# Allegro board H616_REF_DDR4_16X4_V2_0_20200729.brd (continued)
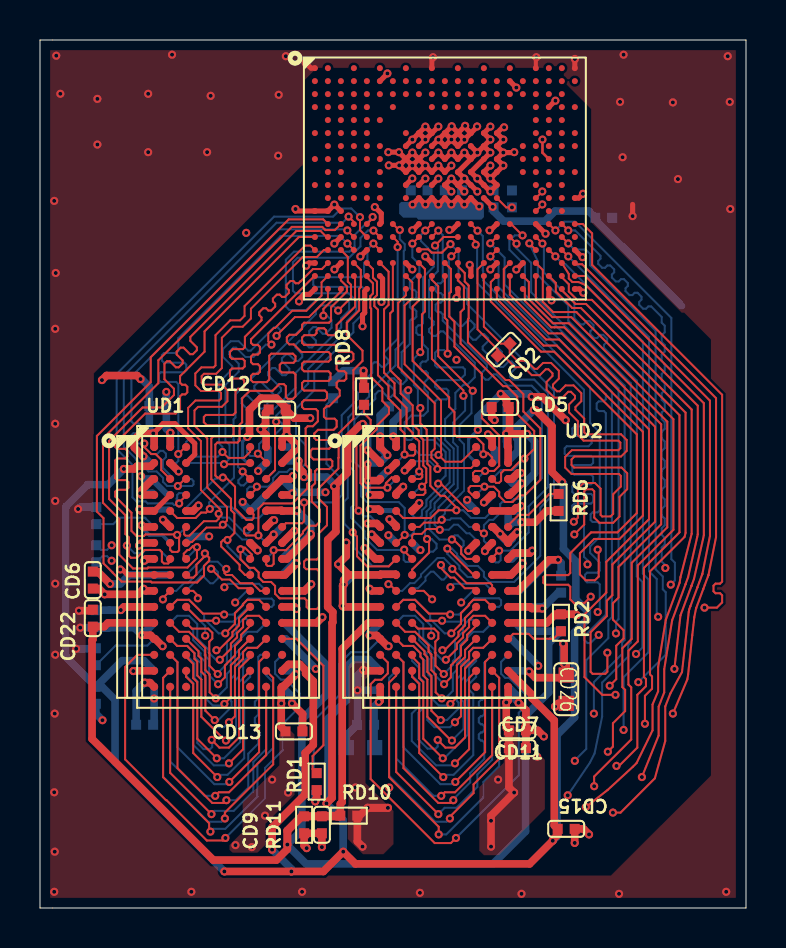
[diagram p0: board, top side]
## Routing (per net, layer and track width the routed paths; a pad name or vN(x,y) marks a point on that pad's centre or on a via; arc(x,y) is an arc through that point) (continued)
SBA1: length 71.7
  TOP w0.102: v1(9.45,9.3) 9.75,9.6 9.75,12.07 10.16,12.47 10.16,12.81 10.36,13.02 10.86,13.02 UD1.N8 ; U1.T16 23.19,31.97 23.19,30.56 25.31,28.45 25.96,28.45 30.45,23.95 30.45,19.46 28.32,17.32 28.32,15.78 27.23,14.69 27.23,11.56 28.12,10.67 v1(28.78,10.67) ; UD2.N8 22.16,13.02 21.66,13.02 21.46,12.81 21.46,12.47 21.05,12.07 21.05,9.6 v1(20.75,9.3)
  POWER03 w0.102: v1(28.78,10.67) 26.09,10.67 25.86,10.44 24.61,10.44 24.08,9.91 22.2,9.91 21.58,9.3 v1(20.75,9.3) 20.6,9.14 20.28,9.14 20.19,9.05 15.74,9.05 14.94,9.86 10.84,9.86 10.28,9.3 v1(9.45,9.3)
  BOTTOM w0.102: v1(20.75,9.3) 20.5,9.05 19.73,9.05 19.37,9.4 19.37,11.43 19.23,11.57 19.23,12.38 19.04,12.56 19.04,12.74 18.66,13.11 18.17,13.11 UD4.N8 ; v1(9.45,9.3) 9.2,9.05 8.59,9.05 8.07,9.57 8.07,11.43 8.05,11.45 8.05,12.25 7.74,12.56 7.74,12.74 7.36,13.11 6.86,13.11 UD3.N8
SBG0: length 68.4
  TOP w0.102: v1(31.72,11.96) 32.03,14.64 32.58,16.12 32.58,16.13 32.7,16.46 33.15,18.45 33.2,18.67 33.2,25.26 27.29,31.17 26.92,31.32 26.62,31.32 26.44,31.5 26.44,31.72 U1.T20 ; v1(8.79,10.49) 8.48,10.79 8.48,11.69 8.27,11.9 8.27,12.66 8.26,12.67 8.26,13.01 7.45,13.82 6.96,13.82 UD1.M2 ; v1(20.09,10.49) 19.79,10.79 19.79,11.69 19.57,11.9 19.57,12.68 19.43,12.83 19.43,13.15 18.76,13.82 18.26,13.82 UD2.M2
  POWER03 w0.102: v1(31.72,11.96) 26.46,11.96 26.36,11.86 25.77,11.86 25.36,11.46 22.27,11.46 21.4,10.59 20.19,10.59 v1(20.09,10.49) 17.27,10.49 17.09,10.67 16.36,10.67 16.23,10.54 15.57,10.54 15.16,10.95 13.4,10.95 13.04,11.3 10.81,11.3 10.1,10.59 8.89,10.59 v1(8.79,10.49)
  BOTTOM w0.102: UD4.M2 22.16,13.82 21.66,13.82 21.01,13.16 21.01,12.43 20.85,12.27 20.85,11.92 20.65,11.72 20.65,10.87 20.27,10.49 v1(20.09,10.49) ; UD3.M2 10.86,13.82 10.36,13.82 9.55,13.01 9.55,12.27 9.55,12.27 9.55,11.92 9.34,11.72 9.34,11.04 v1(8.79,10.49)
SCAS: length 60.3
  TOP w0.102: UD1.M8 10.96,14.62 10.36,14.62 10.16,14.41 10.16,14.06 9.86,13.76 9.86,13.54 9.55,13.23 9.55,12.97 v1(8.99,12.42) ; U1.R15 v1(22.52,32.6) ; UD2.M8 22.26,14.62 21.66,14.62 21.46,14.41 21.46,14.06 21.16,13.76 21.16,13.54 20.85,13.23 20.85,12.97 v1(20.3,12.42)
  POWER03 w0.102: v1(8.99,12.42) 9.34,12.42 9.8,12.88 13.36,12.88 13.46,12.78 15.4,12.78 15.84,12.34 17.89,12.34 17.98,12.42 v1(20.3,12.42) 20.65,12.42 20.95,12.73 23.66,12.73 24.12,13.18 25.41,13.18 25.77,13.54 25.77,13.54 25.89,13.67 26.55,13.67 26.66,13.56 26.66,13.44 26.76,13.34 26.96,13.34 27.06,13.44 27.06,13.56 27.16,13.67 v1(27.94,13.67)
  BOTTOM w0.102: v1(20.3,12.42) 20.1,12.42 19.74,12.79 19.74,12.92 19.17,13.49 19.17,14.21 18.76,14.62 18.16,14.62 UD4.M8 ; v1(22.52,32.6) 22.93,32.2 22.93,31.07 28.3,25.7 28.3,25.45 28.19,25.35 27.94,25.35 27.84,25.25 27.84,24.97 27.94,24.87 28.19,24.87 28.3,24.76 28.3,14.68 27.2,13.59 27.2,13.44 27.38,13.26 27.53,13.26 v1(27.94,13.67) ; v1(8.99,12.42) 8.8,12.42 8.43,12.79 8.43,12.92 7.86,13.49 7.86,14.21 7.45,14.62 6.86,14.62 UD3.M8
SCKE0: length 46.7
  TOP w0.102: v1(27.89,17.93) 27.94,17.88 27.94,16.59 27.75,16.4 27.29,16.4 27,16.69 27,17.75 27.71,18.47 28.98,18.47 30.15,19.63 30.15,23.83 25.83,28.14 25.18,28.14 22.85,30.48 U1.V15 ; v1(6.15,15.44) 6.15,15.51 UD1.K2 ; UD2.K2 17.47,16.21 v1(17.42,16.21)
  POWER03 w0.102: v1(27.89,17.93) 25.78,17.93 25.04,17.2 24.66,17.2 23.88,16.41 20.37,16.41 20.17,16.21 19.56,16.21 19.56,16.21 18.83,16.21 18.83,16.21 v1(17.42,16.21) 17.27,16.36 15.98,16.36 15.49,16.85 13.01,16.85 12.56,16.39 10.62,16.39 10.6,16.41 9.07,16.41 8.88,16.21 8.87,16.21 8.86,16.21 6.91,16.21 v1(6.15,15.44)
SCKE1: length 51.7
  TOP w0.102: U1.P13 21.79,33.33 v1(21.79,33.19)
  POWER03 w0.102: v1(27.38,17.2) 26.49,17.2 26.19,16.89 24.66,16.89 23.82,16.05 v1(20.52,16.05) 20.48,16.01 19.48,16.01 19.48,16.01 18.92,16.01 18.76,15.85 16.86,15.85 16.63,15.62 16.34,15.62 15.8,16.16 15.4,16.56 13.18,16.56 12.67,16.05 v1(9.22,16.05)
  BOTTOM w0.102: UD4.K2 22.26,16.22 20.69,16.22 v1(20.52,16.05) ; v1(27.38,17.2) 27.38,17.4 27.2,17.58 27.2,19.65 27.1,19.75 26.72,19.75 26.62,19.86 26.62,20.14 26.72,20.24 27.56,20.24 27.66,20.34 27.66,20.62 27.56,20.72 26.72,20.72 26.62,20.82 26.62,21.1 26.72,21.2 27.56,21.2 27.66,21.3 27.66,21.58 27.56,21.68 26.72,21.68 26.62,21.79 26.62,22.07 26.72,22.17 27.56,22.17 27.66,22.27 27.66,22.52 27.56,22.62 26.34,22.62 26.24,22.73 26.24,23.01 26.34,23.11 27.43,23.11 27.58,23.26 27.58,23.51 27.48,23.62 26.72,23.62 26.62,23.72 26.62,24 26.72,24.1 27.1,24.1 27.2,24.2 27.2,25.93 21.86,31.28 21.86,33.12 v1(21.79,33.19) ; v1(9.22,16.05) 9.39,16.22 10.96,16.22 UD3.K2
SCKN: length 69.5
  TOP w0.097: v1(9.32,16.97) 9.23,16.88 9.23,16.75 9.32,16.66 9.6,16.66 10.01,16.26 10.62,16.26 11,15.87 UD1.K8 ; v1(26.72,18.69) 27.22,19.19 27.22,20.85 27.31,20.95 27.62,20.95 27.72,20.85 27.72,19.54 27.98,19.28 28.67,19.28 28.98,19.59 28.98,20.57 29.36,20.96 29.36,21.76 29.08,22.04 26.71,22.04 26.58,22.17 26.58,22.44 26.73,22.59 29.06,22.59 29.34,22.87 29.34,23.42 29.06,23.7 27.31,23.7 27.22,23.8 27.22,24.49 26.78,24.93 26.78,25.07 27.07,25.36 27.07,25.76 26.68,26.15 26.28,26.15 25.99,25.85 25.85,25.85 25.65,26.06 25.65,26.19 25.95,26.49 25.95,26.89 25.56,27.27 25.16,27.27 24.86,26.98 24.73,26.98 24.33,27.38 23.88,27.38 23.49,27.77 CD2.2 23.04,28.24 22.2,29.09 U1.U14 ; UD2.K8 22.61,16.16 22.51,16.26 21.33,16.26 v1(20.62,16.97)
  POWER03 w0.104: v1(3.58,17.38) 3.78,17.57 4.08,17.57 4.88,16.77 6.51,16.77 6.55,16.73 8.14,16.73 8.25,16.62 8.41,16.62 8.71,16.62 9.06,16.97 v1(9.32,16.97) 9.37,16.91 11.9,16.91 12.61,17.62 13.03,17.62 13.18,17.48 13.44,17.48 13.59,17.62 13.89,17.62 14.04,17.48 14.33,17.48 14.47,17.62 15.46,17.62 16.13,16.95 19.75,16.95 19.9,16.81 20.19,16.81 20.2,16.81 20.36,16.97 v1(20.62,16.97) 20.65,17 20.65,17.02 20.77,17.14 21.05,17.14 21.12,17.06 21.54,17.06 21.69,16.92 21.89,16.92 22.04,17.06 22.28,17.06 22.42,16.92 22.68,16.92 22.83,17.06 23.25,17.06 24.8,18.61 25.46,18.61 25.73,18.88 26.05,18.88 26.31,18.89 26.53,18.69 v1(26.72,18.69)
  BOTTOM w0.097: RD9.1 3.12,17.6 3.36,17.6 v1(3.58,17.38) ; v1(9.32,16.97) 9.25,16.97 8.89,17.33 8.41,17.33 8.18,17.09 8.18,17.04 7.39,16.26 7.2,16.26 6.81,15.87 UD3.K8 ; UD4.K8 18.12,15.87 18.5,16.26 18.72,16.26 19.05,16.59 19.05,16.69 19.88,17.52 20.19,17.52 20.62,17.09 v1(20.62,16.97)
SCKP: length 66.9
  TOP w0.097: UD2.K7 21.68,16 21.24,16 20.71,16.54 20.52,16.54 20.05,17.01 v1(20.05,17.16) ; UD1.K7 10.38,16 9.93,16 9.5,16.43 9.1,16.43 v1(8.56,16.97) ; U1.T14 21.88,31.96 21.88,28.95 22.89,27.94 CD2.1 23.17,27.64 23.74,27.06 24.19,27.06 24.6,26.66 24.99,26.66 25.29,26.96 25.43,26.96 25.63,26.75 25.63,26.62 25.33,26.32 25.33,25.92 25.72,25.54 26.12,25.54 26.41,25.83 26.55,25.83 26.75,25.63 26.75,25.49 26.46,25.2 26.46,24.8 26.9,24.36 26.9,23.67 27.18,23.39 28.93,23.39 29.02,23.29 29.02,23.01 28.93,22.91 26.6,22.91 26.26,22.58 26.26,22.03 26.58,21.72 28.95,21.72 29.05,21.62 29.05,21.09 28.66,20.71 28.66,19.72 28.53,19.59 28.11,19.59 28.03,19.67 28.03,20.99 27.75,21.27 27.18,21.27 26.9,20.99 26.9,19.53 v1(26.7,19.33)
  POWER03 w0.104: v1(3.58,18.15) 3.95,17.78 4.17,17.78 4.97,16.97 6.6,16.97 6.63,16.94 8.31,16.94 8.34,16.97 v1(8.56,16.97) 8.93,17.35 9.5,17.35 9.73,17.12 11.81,17.12 12.45,17.76 12.45,17.76 12.52,17.83 15.54,17.83 16.21,17.16 19.92,17.16 19.92,17.16 v1(20.05,17.16) 20.23,17.35 21.13,17.35 21.21,17.27 23.16,17.27 24.71,18.82 25.37,18.82 25.64,19.09 26.05,19.09 26.3,19.1 26.5,19.32 v1(26.7,19.33)
  BOTTOM w0.097: UD4.K7 18.74,16 18.9,16 19.28,16.38 19.28,16.56 19.55,16.83 19.68,16.83 20.08,16.43 20.19,16.43 20.33,16.57 20.33,16.71 20.22,16.81 20.22,16.99 v1(20.05,17.16) ; UD3.K7 8.03,16.59 8.17,16.59 8.52,16.25 8.65,16.25 8.9,16.5 8.9,16.8 8.73,16.97 v1(8.56,16.97) ; RD9.2 3.05,17.92 3.36,17.92 v1(3.58,18.15)
SCS0: length 50.5
  TOP w0.102: v1(20.12,12.9) 20.23,12.9 20.92,13.6 20.92,13.81 21.25,14.14 21.25,14.51 UD2.L7 ; UD1.L7 9.95,14.51 9.95,14.14 9.62,13.81 9.62,13.6 8.93,12.9 v1(8.82,12.9) ; v1(24.13,33.66) 23.56,34.23 U1.N16
  POWER03 w0.102: v1(28.8,13.74) 28.37,13.74 28.09,14.02 27.79,14.02 27.67,13.89 25.84,13.89 25.69,13.74 25.54,13.74 25.28,13.49 23.99,13.49 23.54,13.03 20.93,13.03 20.8,12.9 v1(20.12,12.9) 18.02,12.9 17.66,12.54 16.42,12.54 16.39,12.57 16.04,12.57 15.53,13.08 15.28,13.08 13.59,13.08 13.49,13.18 9.78,13.18 9.5,12.9 v1(8.82,12.9)
  BOTTOM w0.102: v1(24.13,33.66) 23.74,33.66 23.48,33.39 23.48,32.94 24.25,32.16 24.25,30.69 28.93,26.01 28.93,14.45 28.8,14.33 v1(28.8,13.74)
SCS1: length 48
  TOP w0.102: U1.R20 v1(26.42,32.6)
  POWER03 w0.102: v1(8.26,13.63) 8.88,13.63 9.12,13.39 9.41,13.39 9.62,13.59 13.65,13.59 13.76,13.49 15.7,13.49 16.21,12.98 16.81,12.98 17.32,13.49 17.52,13.49 17.66,13.63 v1(19.56,13.63) 19.73,13.46 20.35,13.46 20.42,13.39 20.72,13.39 20.84,13.51 23.44,13.51 23.83,13.89 25.12,13.89 25.52,14.3 27.5,14.3 27.62,14.43 27.63,14.43 27.66,14.46 27.82,14.46 27.83,14.45 28.17,14.45 28.29,14.57 v1(30.91,14.57)
  BOTTOM w0.102: v1(30.91,14.57) 30.84,14.64 30.84,16.46 30.45,16.85 30.45,17.86 30.45,28.57 v1(26.42,32.6) ; UD3.L7 8.26,14.12 v1(8.26,13.63) ; v1(19.56,13.63) 19.56,14.12 UD4.L7
SDQ0: length 30.2
  TOP w0.102: UD1.H3 7.19,17.59 7.19,17.73 7.38,17.92 7.45,17.92 7.65,18.11 7.8,18.11 v1(7.85,18.06) 7.85,17.51 7.38,17.04 5.41,17.04 5.36,16.99 4.65,16.99 3.96,17.68 3.96,19.46 3.15,20.28 3.15,23.49 5.92,26.26 5.92,27.41 12.59,34.08 14.11,34.08 14.27,33.92 14.74,33.92 U1.N3
  BOTTOM w0.102: v1(7.85,18.06) 7.85,18.01 UD1.H3
SDQ1: length 28.9
  TOP w0.102: U1.U4 15.76,31.57 15.76,30.09 14.83,29.17 14.83,28.76 14.73,28.66 14.41,28.66 14.31,28.76 14.31,28.91 14.21,29.01 13.93,29.01 13.83,28.91 13.83,28.76 13.73,28.66 13.22,28.66 13.11,28.55 13.11,28.28 13.21,28.18 14.73,28.18 14.83,28.08 14.83,27.93 14.94,27.83 15.57,27.83 15.67,27.73 15.67,27.45 15.57,27.35 14.94,27.35 14.83,27.25 14.83,26.97 14.94,26.86 15.21,26.86 15.32,26.76 15.32,26.48 15.21,26.38 14.94,26.38 14.83,26.28 14.83,26.06 14.99,25.91 14.99,25.63 14.46,25.1 14.33,25.1 14.2,24.97 14.2,24.59 14.3,24.49 14.73,24.49 14.83,24.38 14.83,24.08 14.68,23.93 13.9,23.93 13.72,23.74 13.72,23.52 13.82,23.42 14.45,23.42 14.55,23.32 14.55,23.08 14.45,22.98 13.63,22.98 13.53,22.88 13.53,22.6 13.68,22.45 14.53,22.45 14.62,22.36 14.62,22.12 14.47,21.96 13.86,21.96 13.76,21.86 13.76,21.25 13.59,21.09 13.59,20.83 13.59,20.34 14,19.93 14,19.33 13.79,19.13 13.44,19.13 13.15,18.83 13.15,18.75 12.3,17.91 v1(11.68,17.91) 11.68,17.22 11.58,17.12 11.39,17.12 11.31,17.19 UD1.H8
  BOTTOM w0.102: UD1.H8 11.68,17.84 v1(11.68,17.91)
SDQ2: length 33.6
  TOP w0.102: UD1.J3 7.44,16.54 7.67,16.54 7.82,16.69 7.82,17.18 8.25,17.61 v1(8.25,17.74) 8.46,17.53 8.46,17.38 8.2,17.12 8.2,16.63 7.86,16.29 5.59,16.29 5.55,16.33 4.08,16.33 3.63,16.78 3.63,16.79 3.17,17.25 3.17,19.51 2.84,19.84 2.84,23.62 5.54,26.31 5.54,27.56 12.44,34.46 14.16,34.46 U1.N2
  BOTTOM w0.102: UD1.J3 8.25,17.61 v1(8.25,17.74)
SDQ3: length 28.2
  TOP w0.102: UD1.H7 10.59,17.55 10.59,17.69 10.25,18.03 10.11,18.03 v1(10.03,17.95) 10.03,17.45 10.46,17.02 10.7,17.02 10.93,16.79 10.93,16.54 11.16,16.32 11.56,16.32 11.76,16.12 11.76,15.72 11.96,15.52 11.97,15.52 11.99,15.49 13.23,15.49 13.34,15.39 13.34,15.06 13.44,14.96 13.84,14.96 13.94,15.06 13.94,16.85 13.84,16.96 13.31,16.96 13.21,17.06 13.21,17.34 13.31,17.44 13.84,17.44 13.94,17.54 13.94,18.74 14.35,19.15 14.35,20.07 13.89,20.53 13.89,20.96 14.92,21.99 14.92,22.53 14.94,22.54 14.94,23.75 15.67,24.49 15.67,26.92 16.13,27.37 16.13,27.89 15.34,28.68 15.34,29.29 15.96,29.9 15.96,30.98 16.04,31.07 16.04,31.93 U1.T4
  BOTTOM w0.102: UD1.H7 v1(10.03,17.95)
SDQ4: length 28.3
  TOP w0.102: UD1.F7 10.29,19.07 10.21,18.99 10.21,18.75 10.31,18.64 v1(10.92,18.64) 10.92,19.98 11.19,20.24 12.62,20.24 13.35,20.98 13.35,21.22 13.55,21.42 13.55,21.9 13.28,22.17 13.28,24 13.39,24.1 13.65,24.1 13.89,24.35 13.89,24.87 13.79,24.97 13.21,24.97 13.11,25.07 13.11,25.31 13.21,25.41 14.25,25.41 14.35,25.51 14.35,25.79 14.25,25.89 13.21,25.89 13.11,25.99 13.11,26.27 13.21,26.37 14.43,26.37 14.53,26.48 14.53,26.75 14.43,26.86 13.21,26.86 13.11,26.96 13.11,27.24 13.21,27.34 14.43,27.34 14.53,27.44 14.53,27.72 14.43,27.82 13.07,27.82 12.69,28.2 12.47,28.2 12.34,28.33 12.34,28.56 12.47,28.68 12.81,28.68 13.11,28.98 13.11,29.18 13.21,29.29 14.45,29.29 14.55,29.39 14.55,30.06 15.35,30.85 15.35,31.1 15.05,31.4 U1.U3
  BOTTOM w0.102: UD3.G2 10.93,18.64 v1(10.92,18.64)
SDQ5: length 27.8
  TOP w0.102: U1.P1 12.95,33.58 8.23,28.85 8.23,27.84 7,26.61 7,26.29 7.11,26.18 7.26,26.18 7.37,26.08 7.37,25.8 7.26,25.7 7.11,25.7 7,25.6 7,24.96 6.78,24.74 5.26,24.74 3.76,23.24 3.76,23.08 3.86,22.98 4.27,22.98 4.37,22.87 4.37,22.59 4.27,22.49 3.86,22.49 3.76,22.39 3.76,21.51 3.86,21.41 4.32,21.41 4.42,21.31 4.42,21.03 4.32,20.93 3.86,20.93 3.76,20.83 3.76,20.6 4.57,19.78 4.57,18.87 4.83,18.62 5.2,18.62 5.28,18.69 6.83,18.69 v1(6.86,18.67) 6.96,18.57 6.96,17.9 6.87,17.82 6.66,17.82 6.65,17.82 6.61,17.82 6.51,17.92 UD1.G2
  BOTTOM w0.102: UD3.F7 6.91,18.67 v1(6.86,18.67)
SDQ6: length 29.4
  TOP w0.102: UD1.J7 10.26,16.67 9.98,16.94 9.98,17.17 9.06,18.09 9.06,18.31 9.16,18.41 v1(9.37,18.41) 9.72,18.76 9.72,19.74 9.55,19.91 9.55,20.47 8.57,21.46 8.57,23.5 8.67,23.6 9.58,23.6 9.68,23.7 9.68,24.05 9.58,24.16 8.35,24.16 8.19,24.31 8.19,24.57 8.3,24.67 8.92,24.67 8.92,24.67 9.66,24.67 9.78,24.79 9.78,25.85 9.91,25.98 10.11,25.98 10.21,26.09 10.21,26.39 10.11,26.49 9.6,26.49 9.5,26.59 9.5,26.9 9.6,27 10.13,27 10.24,27.1 10.24,27.38 10.13,27.48 9.6,27.48 9.5,27.58 9.5,27.82 9.64,27.97 10.15,27.97 10.25,28.07 10.25,28.58 11.08,29.41 11.08,29.55 10.96,29.67 10.96,29.81 11.16,30.01 11.31,30.01 11.42,29.9 11.56,29.9 11.76,30.09 11.76,30.24 11.65,30.35 11.65,30.49 11.84,30.69 11.99,30.69 12.1,30.58 12.24,30.58 12.44,30.78 12.44,30.92 12.33,31.03 12.33,31.18 12.53,31.37 12.67,31.37 12.78,31.26 12.93,31.26 13.03,31.36 13.04,31.36 13.65,31.97 14.09,31.97 U1.T2
  BOTTOM w0.102: UD1.J7 10.51,16.97 9.88,17.6 9.88,17.6 9.37,18.1 v1(9.37,18.41)
SDQ7: length 31
  TOP w0.102: 4.44,18.14 4.44,17.63 4.55,17.53 4.84,17.53 5.23,17.92 5.99,17.92 6.1,17.81 6.1,17.34 6.2,17.24 6.41,17.24 6.51,17.34 UD1.H2 ; 4.44,18.14 4.44,18.54 4.27,18.72 4.27,19.65 3.45,20.47 3.45,23.37 5.13,25.04 6.08,25.04 6.7,25.67 6.7,25.98 6.22,26.46 6.22,27.23 6.35,27.36 6.49,27.36 6.79,27.06 6.94,27.06 7.14,27.25 7.14,27.4 6.84,27.7 6.84,27.84 7.03,28.04 7.18,28.04 7.5,27.71 7.65,27.71 7.84,27.91 7.84,28.05 7.52,28.38 7.52,28.57 12.82,33.88 14.03,33.88 14.33,33.58 U1.P2 ; 4.44,18.14 v1(4.35,18.14)
  BOTTOM w0.102: UD1.H2 6.43,17.47 5.99,17.92 5.43,17.92 5.43,17.91 5.26,17.91 5.11,17.76 4.73,17.76 v1(4.35,18.14)
SDQ8: length 27.5
  TOP w0.102: v1(6.96,20.24) 6.96,20.29 7.31,20.64 UD1.D3 ; U1.P5 16,33.92 v1(16,34.57)
  BOTTOM w0.102: UD1.D3 7.22,20.76 6.95,20.76 6.86,20.67 6.86,20.52 6.83,20.49 6.83,20.35 6.93,20.24 v1(6.96,20.24) 6.88,20.17 6.71,20.17 6.63,20.24 5.38,20.24 5.28,20.35 4.83,20.35 4.62,20.55 4.62,22.17 3.84,22.96 3.84,26.73 11.7,34.59 14.66,34.59 15.06,35 15.57,35 v1(16,34.57)
SDQ9: length 22.5
  TOP w0.102: UD1.C7 v1(10.13,21.84) ; U1.V3 15.05,30.85 14.17,29.98 v1(14.17,29.64)
  BOTTOM w0.102: v1(14.17,29.64) 14.35,29.64 14.58,29.41 14.58,29.03 14.28,28.73 14.14,28.73 13.81,29.07 13.66,29.07 13.46,28.87 13.46,28.73 13.8,28.39 13.8,28.25 13.6,28.05 13.46,28.05 13.12,28.38 12.98,28.38 12.78,28.19 12.78,28.04 13.11,27.71 13.11,27.57 12.92,27.37 12.77,27.37 12.44,27.7 12.3,27.7 12.1,27.5 12.1,27.36 12.47,26.99 12.47,26.85 12.28,26.66 12.12,26.66 11.76,27.02 11.61,27.02 11.4,26.81 11.4,26.66 12.05,26.01 12.05,25.87 11.85,25.67 11.71,25.67 11.06,26.32 10.92,26.32 10.72,26.12 10.72,25.98 11.37,25.33 11.37,25.19 11.17,24.99 11.03,24.99 10.38,25.64 10.23,25.64 10.08,25.49 10.08,25.25 10.59,24.74 10.59,24.51 9.98,23.9 9.98,23.51 9.9,23.43 9.9,22.08 v1(10.13,21.84) 10.13,21.62 9.92,21.41 9.92,21.27 10.04,21.15 10.19,21.15 UD1.C7
SDQ10: length 24.4
  TOP w0.102: UD1.C2 6.06,21.92 6.06,22.44 5.78,22.72 5.56,22.72 5.21,23.07 v1(5.21,23.24) ; v1(15.37,33.9) U1.P4
  BOTTOM w0.102: v1(15.37,33.9) 15.31,33.96 11.93,33.96 4.57,26.6 4.57,24.34 4.67,24.24 4.93,24.24 5.03,24.14 5.03,23.86 4.93,23.76 4.67,23.76 4.57,23.66 4.57,23.34 4.67,23.24 v1(5.21,23.24) 5.21,23.07 5.56,22.72 5.85,22.72 6.01,22.87 6.16,22.87 6.3,22.73 6.3,22.56 6.15,22.41 6.15,22.02 6.51,21.66 UD1.C2
SDQ11: length 22.2
  TOP w0.102: v1(6.92,22.72) 7.27,23.07 UD1.A3 ; U1.R4 v1(15.37,33.25)
  BOTTOM w0.102: v1(15.37,33.25) 14.99,33.63 12.03,33.63 6.92,28.51 6.92,27.87 6.82,27.77 6.2,27.77 6.1,27.67 6.1,27.39 6.2,27.29 7.21,27.29 7.32,27.19 7.32,26.91 7.21,26.81 6.05,26.81 5.94,26.7 5.94,26.43 6.05,26.32 6.82,26.32 6.92,26.22 v1(6.92,22.72) 6.92,22.37 6.82,22.27 UD3.B8
SDQ12: length 22.6
  TOP w0.102: UD1.D7 10.85,21.01 v1(10.85,21.08) ; U1.R6 16.67,33.25 v1(16.67,33.25)
  BOTTOM w0.102: UD1.D7 10.36,20.82 10.36,20.96 10.48,21.08 v1(10.85,21.08) 11.42,21.08 11.66,21.32 11.66,21.52 11.96,21.82 12.35,21.82 12.5,21.97 13.03,21.97 13.28,22.23 13.28,23.16 12.8,23.65 12.8,23.83 12.81,24.99 13.72,25.9 13.72,26.85 15.67,28.8 15.67,29.26 16.21,29.79 16.21,30.98 16.1,31.08 13.77,31.08 13.67,31.18 13.67,31.46 13.77,31.56 16.1,31.56 16.21,31.66 16.21,32.28 16.37,32.45 16.37,32.95 v1(16.67,33.25)
SDQ13: length 24.2
  TOP w0.102: v1(6.89,21.12) 7.24,21.47 UD1.C3 ; U1.N4 15.7,34.33 v1(15.43,34.6)
  BOTTOM w0.102: v1(15.43,34.6) 15.13,34.29 11.83,34.29 4.19,26.65 4.19,23.08 4.79,22.48 4.79,22.44 5.02,22.22 5.04,22.22 5.12,22.13 5.14,22.13 5.43,21.84 5.83,21.84 6.16,21.52 6.16,21.32 6.36,21.12 v1(6.89,21.12) 7.6,21.12 7.68,21.19 7.68,21.37 7.57,21.47 UD1.C3
SDQ14: length 24.4
  TOP w0.102: v1(16.68,33.9) 16.74,33.83 16.74,33.83 U1.P6 ; UD1.C8 11.75,21.91 11.75,24.28 v1(11.81,24.33)
  BOTTOM w0.102: v1(16.68,33.9) 16.4,33.9 16.03,33.53 16.03,33.11 15.46,32.54 12.88,32.54 12.65,32.31 12.65,30.89 12.78,30.76 15.43,30.76 15.82,30.37 15.82,29.84 15.37,29.38 15.37,28.93 13.41,26.97 13.41,26.24 11.81,24.64 v1(11.81,24.33) 12.01,24.33 12.11,24.23 12.11,24.05 11.75,23.69 11.75,21.91 UD1.C8
SDQ15: length 23
  TOP w0.102: UD1.B8 11.31,22.32 v1(10.9,22.73) ; v1(16.63,34.58) 16.59,34.53 16.59,34.46 U1.N5
  BOTTOM w0.102: v1(16.63,34.58) 15.73,33.67 15.73,33.1 15.47,32.84 12.7,32.84 12.29,32.44 12.29,30.1 12.47,29.92 13.31,29.92 13.84,30.45 15.31,30.45 15.46,30.3 15.46,29.91 15.06,29.51 15.06,29.06 12.78,26.77 12.78,26.03 11.43,24.69 11.43,23.69 10.96,23.21 10.96,22.79 v1(10.9,22.73) 10.78,22.62 10.52,22.62 10.36,22.78 10.36,22.92 UD3.A3
SDQ16: length 13.8
  TOP w0.102: U1.T11 20.55,31.97 20.55,30.84 20.47,30.76 20.47,29.59 20.73,29.34 20.73,28.09 22.1,26.72 22.1,24.51 22.96,23.65 22.96,23.55 22.96,23.55 22.96,22.12 22.71,21.87 v1(22.26,21.87) 21.76,21.87 21.66,21.77 21.66,21.62 UD2.C7
  BOTTOM w0.102: v1(22.26,21.87) 21.86,21.47 UD2.C7
SDQ17: length 15.6
  TOP w0.102: UD2.C8 22.81,21.27 22.96,21.27 23.06,21.37 23.06,21.76 23.21,21.92 23.56,21.92 24.13,22.49 v1(24.22,22.49) 24.71,22.98 24.71,23.87 23.87,24.72 23.87,25.59 23.34,26.11 23.16,26.11 21.03,28.24 21.03,29.82 21.2,29.99 21.2,31.1 20.9,31.41 U1.U12
  BOTTOM w0.102: v1(24.22,22.49) 23.66,21.92 23.06,21.92 UD2.C8
SDQ18: length 18.4
  TOP w0.102: UD2.D7 21.62,20.67 21.44,20.85 21.44,21.01 21.54,21.12 22.19,21.12 v1(22.22,21.08) 22.7,21.08 22.96,20.81 22.96,20.62 23.26,20.32 23.63,20.32 23.96,20.65 24.25,20.65 25.02,21.42 25.02,24 24.17,24.85 24.17,25.71 23.47,26.42 23.29,26.42 21.4,28.3 21.4,29.46 21.44,29.5 21.44,31.15 21.4,31.18 21.4,31.19 21.24,31.35 21.24,31.77 20.9,32.12 U1.T12
  BOTTOM w0.102: UD2.D7 v1(22.22,21.08)
SDQ19: length 12.4
  TOP w0.102: U1.U9 18.95,30.4 18.64,30.09 18.64,27.38 20.46,25.55 20.46,25.08 20.73,24.82 20.73,23.7 20.85,23.57 21.81,23.57 22.17,23.2 v1(22.17,22.71) 22.24,22.78 22.39,22.78 22.61,22.55 UD2.B8
  BOTTOM w0.102: UD4.A3 v1(22.17,22.71)
SDQ20: length 12.9
  TOP w0.102: UD2.C3 19.02,21.47 19.11,21.56 19.11,21.69 v1(18.96,21.84) 18.96,21.85 18.96,23.35 18.84,23.47 18.81,23.47 18.63,23.65 18.63,23.77 18.33,24.08 18.33,25.02 17.73,25.62 17.73,26.26 17.21,26.78 17.21,29.95 17.43,30.18 17.43,31.84 U1.T6
  BOTTOM w0.102: v1(18.96,21.84) 18.61,21.49 UD2.C3
SDQ21: length 14.5
  TOP w0.102: U1.U5 16.35,31.56 16.65,31.26 16.65,30.75 16.52,30.62 16.52,30.03 16.56,29.99 16.56,26.57 17.12,26.01 17.12,25.37 17.45,25.04 17.45,24.74 16.84,24.13 16.84,23.96 16.03,23.14 16.03,21.26 16.26,21.03 v1(17.37,21.03) 17.3,21.11 17.3,21.26 17.59,21.55 17.73,21.55 UD2.C2
  BOTTOM w0.102: v1(17.37,21.03) UD2.C2
SDQ22: length 13.8
  TOP w0.102: UD2.D3 19.17,20.67 19.27,20.77 19.27,20.91 v1(19.1,21.08) 19.32,21.3 19.32,21.99 19.17,22.14 19.17,23.43 18.94,23.66 18.94,23.9 18.64,24.2 18.64,25.15 18.03,25.75 18.03,26.39 17.93,26.49 17.93,26.49 17.51,26.91 17.51,29.75 17.65,29.89 U1.T7
  BOTTOM w0.102: v1(19.1,21.08) 19.02,21.08 UD2.D3
SDQ23: length 12.1
  TOP w0.102: UD2.A3 18.76,22.92 18.76,22.72 18.68,22.64 18.28,22.64 v1(18.23,22.69) 18.23,23.75 18.03,23.95 18.03,24.9 17.42,25.5 17.42,26.13 16.9,26.66 16.9,29.94 16.72,30.12 16.72,30.53 16.85,30.66 16.85,31.34 16.65,31.54 16.65,31.97 U1.T5
  BOTTOM w0.102: UD4.B8 v1(18.23,22.69)
SDQ24: length 30.2
  TOP w0.102: v1(20.37,17.98) 21.69,16.67 UD2.J7 ; v1(20.53,33.22) 20.1,32.79 19.58,32.79 19.42,32.96 18.98,32.96 U1.R9
  BOTTOM w0.102: v1(20.53,33.22) 20.93,32.82 20.93,31.39 21.36,30.96 21.36,30.22 25.7,25.88 25.7,20.73 25.02,20.04 25.02,17.63 25,17.61 25,17.6 23.71,16.32 22.46,16.32 22.2,16.58 22.2,16.81 21.9,17.12 21.39,17.12 20.86,17.64 20.86,17.72 20.6,17.98 v1(20.37,17.98) 20.37,17.72 20.97,17.11 20.97,16.97 21.39,16.56 21.7,16.56 UD2.J7